# Altium PCB ADAPTONE_PCB_COPY.PcbDoc (part 2 of 11) (continued)
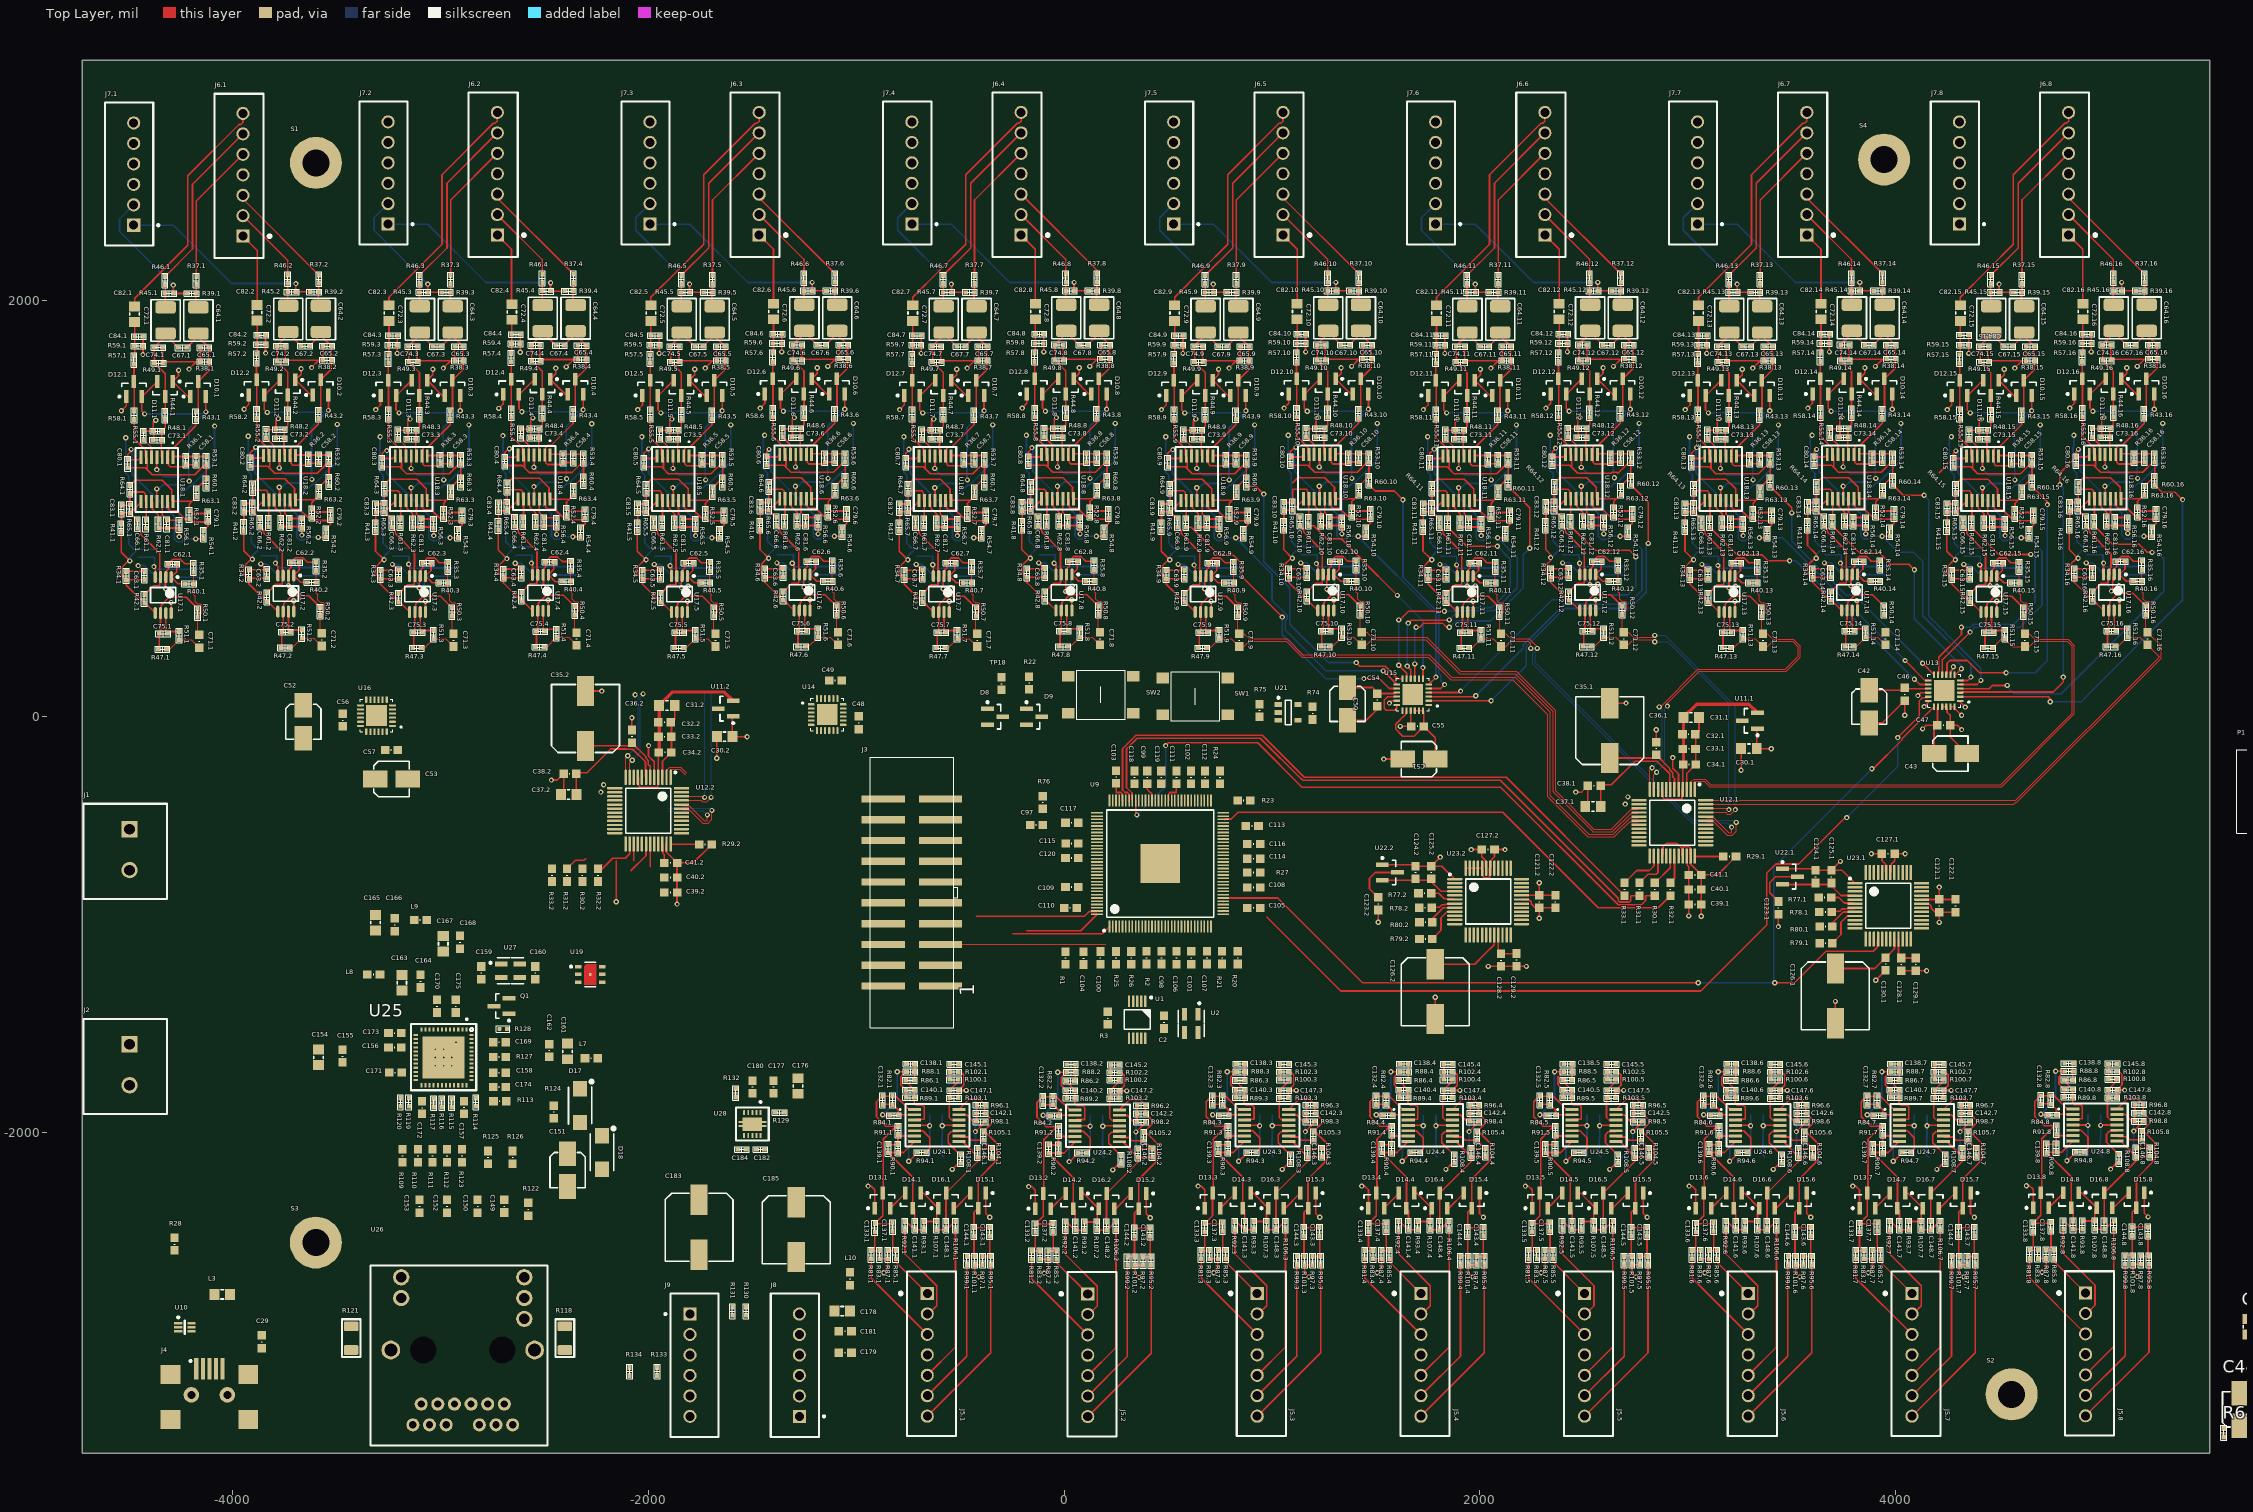
[diagram p0: Top Layer view]
## Components (designator, comment, footprint, x,y, rotation, side; value= is the part's Value field where it differs from the comment) (continued)
C137.4 "Capacitor" 0402 1549.58,-2455.18 r270 top (schematic designator C137)
C137.5 "Capacitor" 0402 2336.98,-2455.18 r270 top (schematic designator C137)
C137.6 "Capacitor" 0402 3124.38,-2455.18 r270 top (schematic designator C137)
C137.7 "Capacitor" 0402 3911.78,-2455.18 r270 top (schematic designator C137)
C137.8 "Capacitor" 0402 4747,-2453.1 r270 top (schematic designator C137)
C138.1 "Capacitor" 0402 -739.08,-1670.46 r0 top (schematic designator C138)
C138.2 "Capacitor" 0402 33,-1672.54 r0 top (schematic designator C138)
C138.3 "Capacitor" 0402 848.18,-1670.46 r0 top (schematic designator C138)
C138.4 "Capacitor" 0402 1635.58,-1670.46 r0 top (schematic designator C138)
C138.5 "Capacitor" 0402 2422.98,-1670.46 r0 top (schematic designator C138)
C138.6 "Capacitor" 0402 3210.38,-1670.46 r0 top (schematic designator C138)
C138.7 "Capacitor" 0402 3997.78,-1670.46 r0 top (schematic designator C138)
C138.8 "Capacitor" 0402 4833,-1668.38 r0 top (schematic designator C138)
C139.1 "Capacitor" 0402 -846.08,-2078.46 r270 top (schematic designator C139)
C139.2 "Capacitor" 0402 -74,-2080.54 r270 top (schematic designator C139)
C139.3 "Capacitor" 0402 741.18,-2078.46 r270 top (schematic designator C139)
C139.4 "Capacitor" 0402 1528.58,-2078.46 r270 top (schematic designator C139)
C139.5 "Capacitor" 0402 2315.98,-2078.46 r270 top (schematic designator C139)
C139.6 "Capacitor" 0402 3103.38,-2078.46 r270 top (schematic designator C139)
C139.7 "Capacitor" 0402 3890.78,-2078.46 r270 top (schematic designator C139)
C139.8 "Capacitor" 0402 4726,-2076.38 r270 top (schematic designator C139)
C140.1 "Capacitor" 0402 -741.08,-1796.46 r180 top (schematic designator C140)
C140.2 "Capacitor" 0402 31,-1798.54 r180 top (schematic designator C140)
C140.3 "Capacitor" 0402 846.18,-1796.46 r180 top (schematic designator C140)
C140.4 "Capacitor" 0402 1633.58,-1796.46 r180 top (schematic designator C140)
C140.5 "Capacitor" 0402 2420.98,-1796.46 r180 top (schematic designator C140)
C140.6 "Capacitor" 0402 3208.38,-1796.46 r180 top (schematic designator C140)
C140.7 "Capacitor" 0402 3995.78,-1796.46 r180 top (schematic designator C140)
C140.8 "Capacitor" 0402 4831,-1794.38 r180 top (schematic designator C140)
C141.1 "Capacitor" 0402 -718.08,-2448.46 r270 top (schematic designator C141)
C141.2 "Capacitor" 0402 54,-2450.54 r270 top (schematic designator C141)
C141.3 "Capacitor" 0402 869.18,-2448.46 r270 top (schematic designator C141)
C141.4 "Capacitor" 0402 1656.58,-2448.46 r270 top (schematic designator C141)
C141.5 "Capacitor" 0402 2443.98,-2448.46 r270 top (schematic designator C141)
C141.6 "Capacitor" 0402 3231.38,-2448.46 r270 top (schematic designator C141)
C141.7 "Capacitor" 0402 4018.78,-2448.46 r270 top (schematic designator C141)
C141.8 "Capacitor" 0402 4854,-2446.38 r270 top (schematic designator C141)
C142.1 "Capacitor" 0402 -401.08,-1908.46 r0 top (schematic designator C142)
C142.2 "Capacitor" 0402 371,-1910.54 r0 top (schematic designator C142)
C142.3 "Capacitor" 0402 1186.18,-1908.46 r0 top (schematic designator C142)
C142.4 "Capacitor" 0402 1973.58,-1908.46 r0 top (schematic designator C142)
C142.5 "Capacitor" 0402 2760.98,-1908.46 r0 top (schematic designator C142)
C142.6 "Capacitor" 0402 3548.38,-1908.46 r0 top (schematic designator C142)
C142.7 "Capacitor" 0402 4335.78,-1908.46 r0 top (schematic designator C142)
C142.8 "Capacitor" 0402 5171,-1906.38 r0 top (schematic designator C142)
C143.1 "Capacitor" 0402 -358.08,-2478.15 r270 top (schematic designator C143)
C143.2 "Capacitor" 0402 414,-2480.23 r270 top (schematic designator C143)
C143.3 "Capacitor" 0402 1229.18,-2478.15 r270 top (schematic designator C143)
C143.4 "Capacitor" 0402 2016.58,-2478.15 r270 top (schematic designator C143)
C143.5 "Capacitor" 0402 2803.98,-2478.15 r270 top (schematic designator C143)
C143.6 "Capacitor" 0402 3591.38,-2478.15 r270 top (schematic designator C143)
C143.7 "Capacitor" 0402 4378.78,-2478.15 r270 top (schematic designator C143)
C143.8 "Capacitor" 0402 5214,-2476.06 r270 top (schematic designator C143)
C144.1 "Capacitor" 0402 -433.78,-2478.15 r270 top (schematic designator C144)
C144.2 "Capacitor" 0402 338.3,-2480.23 r270 top (schematic designator C144)
C144.3 "Capacitor" 0402 1153.47,-2478.15 r270 top (schematic designator C144)
C144.4 "Capacitor" 0402 1940.88,-2478.15 r270 top (schematic designator C144)
C144.5 "Capacitor" 0402 2728.28,-2478.15 r270 top (schematic designator C144)
C144.6 "Capacitor" 0402 3515.68,-2478.15 r270 top (schematic designator C144)
C144.7 "Capacitor" 0402 4303.08,-2478.15 r270 top (schematic designator C144)
C144.8 "Capacitor" 0402 5138.3,-2476.06 r270 top (schematic designator C144)
C145.1 "Capacitor" 0402 -528.08,-1672.46 r180 top (schematic designator C145)
C145.2 "Capacitor" 0402 244,-1674.54 r180 top (schematic designator C145)
C145.3 "Capacitor" 0402 1059.18,-1672.46 r180 top (schematic designator C145)
C145.4 "Capacitor" 0402 1846.58,-1672.46 r180 top (schematic designator C145)
C145.5 "Capacitor" 0402 2633.98,-1672.46 r180 top (schematic designator C145)
C145.6 "Capacitor" 0402 3421.38,-1672.46 r180 top (schematic designator C145)
C145.7 "Capacitor" 0402 4208.78,-1672.46 r180 top (schematic designator C145)
C145.8 "Capacitor" 0402 5044,-1670.38 r180 top (schematic designator C145)
C146.1 "Capacitor" 0402 -416.46,-2097.8 r270 top (schematic designator C146)
C146.2 "Capacitor" 0402 355.62,-2099.88 r270 top (schematic designator C146)
C146.3 "Capacitor" 0402 1170.79,-2097.8 r270 top (schematic designator C146)
C146.4 "Capacitor" 0402 1958.19,-2097.8 r270 top (schematic designator C146)
C146.5 "Capacitor" 0402 2745.59,-2097.8 r270 top (schematic designator C146)
C146.6 "Capacitor" 0402 3533,-2097.8 r270 top (schematic designator C146)
C146.7 "Capacitor" 0402 4320.4,-2097.8 r270 top (schematic designator C146)
C146.8 "Capacitor" 0402 5155.62,-2095.72 r270 top (schematic designator C146)
C147.1 "Capacitor" 0402 -528.08,-1798.46 r0 top (schematic designator C147)
C147.2 "Capacitor" 0402 244,-1800.54 r0 top (schematic designator C147)
C147.3 "Capacitor" 0402 1059.18,-1798.46 r0 top (schematic designator C147)
C147.4 "Capacitor" 0402 1846.58,-1798.46 r0 top (schematic designator C147)
C147.5 "Capacitor" 0402 2633.98,-1798.46 r0 top (schematic designator C147)
C147.6 "Capacitor" 0402 3421.38,-1798.46 r0 top (schematic designator C147)
C147.7 "Capacitor" 0402 4208.78,-1798.46 r0 top (schematic designator C147)
C147.8 "Capacitor" 0402 5044,-1796.38 r0 top (schematic designator C147)
C148.1 "Capacitor" 0402 -568.08,-2448.46 r270 top (schematic designator C148)
C148.2 "Capacitor" 0402 204,-2450.54 r270 top (schematic designator C148)
C148.3 "Capacitor" 0402 1019.18,-2448.46 r270 top (schematic designator C148)
C148.4 "Capacitor" 0402 1806.58,-2448.46 r270 top (schematic designator C148)
C148.5 "Capacitor" 0402 2593.98,-2448.46 r270 top (schematic designator C148)
C148.6 "Capacitor" 0402 3381.38,-2448.46 r270 top (schematic designator C148)
C148.7 "Capacitor" 0402 4168.78,-2448.46 r270 top (schematic designator C148)
C148.8 "Capacitor" 0402 5004,-2446.38 r270 top (schematic designator C148)
C149 "Capacitor" 0603 -2693.16,-2354.88 r90 top
C150 "Capacitor" 0603 -2821.57,-2355.5 r90 top
C151 "Capacitor_Polarized" CAP_RAD_SMD_DIA157 -2388.59,-2181.52 r270 top
C152 "Capacitor" 0603 -2968.78,-2355.5 r90 top
C153 "Capacitor" 0603 -3101.57,-2355.5 r90 top
C154 "Capacitor" 0805 -3586.83,-1638.98 r270 top
C155 "Capacitor" 0603 -3471.04,-1632.6 r90 top
C156 "Capacitor" 0603 -3219.78,-1592.06 r0 top
C157 "Capacitor" 0603 -2887.06,-1879.93 r90 top
C158 "Capacitor" 0603 -2716.56,-1713.14 r180 top
C159 "Capacitor" 0603 -2804.46,-1232.6 r270 top
C160 "Capacitor" 0603 -2543.93,-1232.6 r270 top
C161 "Capacitor" 0805 -2388.73,-1610.4 r270 top
C162 "Capacitor" 0603 -2476.83,-1606.03 r270 top
C163 "Capacitor" 0805 -3186.32,-1280 r270 top
C164 "Capacitor" 0603 -3096.83,-1272.6 r270 top
C165 "Capacitor" 0805 -3312.22,-991.07 r270 top
C166 "Capacitor" 0603 -3220.29,-1001.07 r270 top
C167 "Capacitor" 0805 -2986.83,-1092.6 r270 top
C168 "Capacitor" 0603 -2906.83,-1085.2 r270 top
C169 "Capacitor" 0603 -2716.56,-1566.23 r180 top
C170 "Capacitor" 0603 -3016.83,-1392.6 r270 top
C171 "Capacitor" 0603 -3216.83,-1712.6 r0 top
C172 "Capacitor" 0603 -3088.42,-1880.75 r90 top
C173 "Capacitor" 0603 -3219.78,-1522.6 r0 top
C174 "Capacitor" 0603 -2716.56,-1781.39 r180 top
C175 "Capacitor" 0603 -2926.83,-1392.6 r270 top
C176 "Capacitor" 0805 -1280,-1776.69 r90 top
C177 "Capacitor" 0603 -1397.72,-1781.39 r90 top
C178 "Capacitor" 0805 -1067.35,-2860 r180 top
C179 "Capacitor" 0603 -1053.46,-3060.02 r180 top
C180 "Capacitor" 0603 -1499.52,-1781.39 r270 top
C181 "Capacitor" 0603 -1053.46,-2956.69 r0 top
C182 "Capacitor" 0402 -1460.63,-2082.09 r180 top
C183 "Capacitor_Polarized" CAP_RAD_SMD_DIA315 -1756.37,-2456.38 r270 top
C184 "Capacitor" 0402 -1550,-2082.09 r0 top
C185 "Capacitor_Polarized" CAP_RAD_SMD_DIA315 -1289.15,-2468.15 r270 top
D1 "Schottky" SOD-123F 5920,-2510 r90 top
D2 "Diode_LED" 0805_LED 641.35,-6751 r90 top
D3 "Diode_LED" 0805_LED 811.35,-6751 r90 top
D4 "Diode_zener" DIODE_DO-214AC/SMA 1018.35,-6819 r90 top
D5 "Diode" DIODE_SMA -538.65,-6801 r90 top
D6 "Schottky" SOD-123F -1302.65,-6813 r90 top
D7 "Diode" DIODE_SMA -2103.65,-6801 r90 top
D8 "Diode_dual" SOT23_132 -332.19,-0.69 r0 top
D9 "Diode_dual" SOT23_132 -144.42,-0.69 r0 top
D10.1 "Diode_dual" SOT23_132 -4166.16,1576.03 r90 top (schematic designator D10)
D10.2 "Diode_dual" SOT23_132 -3576.48,1583.51 r90 top (schematic designator D10)
D10.3 "Diode_dual" SOT23_132 -2942.57,1581.17 r90 top (schematic designator D10)
D10.4 "Diode_dual" SOT23_132 -2351.54,1586.76 r90 top (schematic designator D10)
D10.5 "Diode_dual" SOT23_132 -1682.73,1581.17 r90 top (schematic designator D10)
D10.6 "Diode_dual" SOT23_132 -1093.06,1588.65 r90 top (schematic designator D10)
D10.7 "Diode_dual" SOT23_132 -422.89,1581.17 r90 top (schematic designator D10)
D10.8 "Diode_dual" SOT23_132 166.78,1588.65 r90 top (schematic designator D10)
D10.9 "Diode_dual" SOT23_132 836.95,1581.17 r90 top (schematic designator D10)
D10.10 "Diode_dual" SOT23_132 1426.62,1588.65 r90 top (schematic designator D10)
D10.11 "Diode_dual" SOT23_132 2096.8,1581.17 r90 top (schematic designator D10)
D10.12 "Diode_dual" SOT23_132 2686.47,1588.65 r90 top (schematic designator D10)
D10.13 "Diode_dual" SOT23_132 3356.64,1581.17 r90 top (schematic designator D10)
D10.14 "Diode_dual" SOT23_132 3946.31,1588.65 r90 top (schematic designator D10)
D10.15 "Diode_dual" SOT23_132 4616.48,1581.17 r90 top (schematic designator D10)
D10.16 "Diode_dual" SOT23_132 5206.15,1588.65 r90 top (schematic designator D10)
D11.1 "Diode_dual" SOT23_132 -4324.84,1576.03 r270 top (schematic designator D11)
D11.2 "Diode_dual" SOT23_132 -3735.17,1583.51 r270 top (schematic designator D11)
D11.3 "Diode_dual" SOT23_132 -3101.26,1581.17 r270 top (schematic designator D11)
D11.4 "Diode_dual" SOT23_132 -2510.23,1586.76 r270 top (schematic designator D11)
D11.5 "Diode_dual" SOT23_132 -1841.42,1581.17 r270 top (schematic designator D11)
D11.6 "Diode_dual" SOT23_132 -1251.75,1588.65 r270 top (schematic designator D11)
D11.7 "Diode_dual" SOT23_132 -581.57,1581.17 r270 top (schematic designator D11)
D11.8 "Diode_dual" SOT23_132 8.1,1588.65 r270 top (schematic designator D11)
D11.9 "Diode_dual" SOT23_132 678.27,1581.17 r270 top (schematic designator D11)
D11.10 "Diode_dual" SOT23_132 1267.94,1588.65 r270 top (schematic designator D11)
D11.11 "Diode_dual" SOT23_132 1938.11,1581.17 r270 top (schematic designator D11)
D11.12 "Diode_dual" SOT23_132 2527.78,1588.65 r270 top (schematic designator D11)
D11.13 "Diode_dual" SOT23_132 3197.95,1581.17 r270 top (schematic designator D11)
D11.14 "Diode_dual" SOT23_132 3787.62,1588.65 r270 top (schematic designator D11)
D11.15 "Diode_dual" SOT23_132 4457.8,1581.17 r270 top (schematic designator D11)
D11.16 "Diode_dual" SOT23_132 5047.47,1588.65 r270 top (schematic designator D11)
D12.1 "Diode_dual" SOT23_132 -4474.84,1576.03 r90 top (schematic designator D12)
D12.2 "Diode_dual" SOT23_132 -3885.17,1583.51 r90 top (schematic designator D12)
D12.3 "Diode_dual" SOT23_132 -3251.26,1581.17 r90 top (schematic designator D12)
D12.4 "Diode_dual" SOT23_132 -2660.23,1586.76 r90 top (schematic designator D12)
D12.5 "Diode_dual" SOT23_132 -1991.42,1581.17 r90 top (schematic designator D12)
D12.6 "Diode_dual" SOT23_132 -1401.75,1588.65 r90 top (schematic designator D12)
D12.7 "Diode_dual" SOT23_132 -731.57,1581.17 r90 top (schematic designator D12)
D12.8 "Diode_dual" SOT23_132 -141.9,1588.65 r90 top (schematic designator D12)
D12.9 "Diode_dual" SOT23_132 528.27,1581.17 r90 top (schematic designator D12)
D12.10 "Diode_dual" SOT23_132 1117.94,1588.65 r90 top (schematic designator D12)
D12.11 "Diode_dual" SOT23_132 1788.11,1581.17 r90 top (schematic designator D12)
D12.12 "Diode_dual" SOT23_132 2377.78,1588.65 r90 top (schematic designator D12)
D12.13 "Diode_dual" SOT23_132 3047.95,1581.17 r90 top (schematic designator D12)
D12.14 "Diode_dual" SOT23_132 3637.62,1588.65 r90 top (schematic designator D12)
D12.15 "Diode_dual" SOT23_132 4307.8,1581.17 r90 top (schematic designator D12)
D12.16 "Diode_dual" SOT23_132 4897.47,1588.65 r90 top (schematic designator D12)
D13.1 "Diode_dual" SOT23_132 -873.39,-2328.46 r90 top (schematic designator D13)
D13.2 "Diode_dual" SOT23_132 -101.31,-2330.54 r90 top (schematic designator D13)
D13.3 "Diode_dual" SOT23_132 713.86,-2328.46 r90 top (schematic designator D13)
D13.4 "Diode_dual" SOT23_132 1501.26,-2328.46 r90 top (schematic designator D13)
D13.5 "Diode_dual" SOT23_132 2288.66,-2328.46 r90 top (schematic designator D13)
D13.6 "Diode_dual" SOT23_132 3076.07,-2328.46 r90 top (schematic designator D13)
D13.7 "Diode_dual" SOT23_132 3863.47,-2328.46 r90 top (schematic designator D13)
D13.8 "Diode_dual" SOT23_132 4698.69,-2326.38 r90 top (schematic designator D13)
D14.1 "Diode_dual" SOT23_132 -728.08,-2328.46 r270 top (schematic designator D14)
D14.2 "Diode_dual" SOT23_132 44,-2330.54 r270 top (schematic designator D14)
D14.3 "Diode_dual" SOT23_132 859.18,-2328.46 r270 top (schematic designator D14)
D14.4 "Diode_dual" SOT23_132 1646.58,-2328.46 r270 top (schematic designator D14)
D14.5 "Diode_dual" SOT23_132 2433.98,-2328.46 r270 top (schematic designator D14)
D14.6 "Diode_dual" SOT23_132 3221.38,-2328.46 r270 top (schematic designator D14)
D14.7 "Diode_dual" SOT23_132 4008.78,-2328.46 r270 top (schematic designator D14)
D14.8 "Diode_dual" SOT23_132 4844,-2326.38 r270 top (schematic designator D14)
D15.1 "Diode_dual" SOT23_132 -413.85,-2328.46 r270 top (schematic designator D15)
D15.2 "Diode_dual" SOT23_132 358.23,-2330.54 r270 top (schematic designator D15)
D15.3 "Diode_dual" SOT23_132 1173.4,-2328.46 r270 top (schematic designator D15)
D15.4 "Diode_dual" SOT23_132 1960.81,-2328.46 r270 top (schematic designator D15)
D15.5 "Diode_dual" SOT23_132 2748.21,-2328.46 r270 top (schematic designator D15)
D15.6 "Diode_dual" SOT23_132 3535.61,-2328.46 r270 top (schematic designator D15)
D15.7 "Diode_dual" SOT23_132 4323.01,-2328.46 r270 top (schematic designator D15)
D15.8 "Diode_dual" SOT23_132 5158.23,-2326.38 r270 top (schematic designator D15)
D16.1 "Diode_dual" SOT23_132 -568.08,-2328.46 r90 top (schematic designator D16)
D16.2 "Diode_dual" SOT23_132 204,-2330.54 r90 top (schematic designator D16)
D16.3 "Diode_dual" SOT23_132 1019.18,-2328.46 r90 top (schematic designator D16)
D16.4 "Diode_dual" SOT23_132 1806.58,-2328.46 r90 top (schematic designator D16)
D16.5 "Diode_dual" SOT23_132 2593.98,-2328.46 r90 top (schematic designator D16)
D16.6 "Diode_dual" SOT23_132 3381.38,-2328.46 r90 top (schematic designator D16)
D16.7 "Diode_dual" SOT23_132 4168.78,-2328.46 r90 top (schematic designator D16)
D16.8 "Diode_dual" SOT23_132 5004,-2326.38 r90 top (schematic designator D16)
D17 "Diode" DIODE_SMA -2328.59,-1871.52 r270 top
D18 "Diode" DIODE_SMA -2223.2,-2096.69 r270 top
D19 "Diode_LED" 0805_LED 7923.1,-1647.97 r90 top
D20 "Diode_LED" 0805_LED 8143.1,-1647.97 r90 top
D21 "Diode_LED" 0805_LED 8373.1,-1647.97 r90 top
D22 "Diode_LED" 0805_LED 8583.1,-1647.97 r90 top
D23 "Diode_LED" 0805_LED 8813.1,-1647.97 r90 top
D24 "Diode_LED" 0805_LED 9043.1,-1647.97 r90 top
FID1 "Fiducial" FIDUCIAL 8211.1,834.03 r0 top
FID2 "Fiducial" FIDUCIAL 8471.1,834.03 r90 top
FID3 "Fiducial" FIDUCIAL 7349.1,834.03 r90 top
FID4 "Fiducial" FIDUCIAL 7629.1,834.03 r90 top
FID5 "Fiducial" FIDUCIAL 6488.1,834.03 r90 top
FID6 "Fiducial" FIDUCIAL 6768.1,834.03 r90 top
J1 "CONN_TERM_BLOCK_2_POS" "TERM BLOCK" -4496,-640 r270 top
J2 "CONN_TERM_BLOCK_2_POS" "TERM BLOCK" -4496,-1675 r270 top
J3 "CON20" CONN20_100mils_pol_SMD -732.73,-845.95 r90 top
J4 "USB_MINIB_690-005-299-043" CONN_USB_MINIB_690-005-299-043 -4112,-3259 r270 top
J5.1 "B7B-XH-A(LF)(SN)" CONN_7_HEADER -658.59,-3070.03 r270 top (schematic designator J5)
J5.2 "B7B-XH-A(LF)(SN)" CONN_7_HEADER 113.49,-3072.12 r270 top (schematic designator J5)
J5.3 "B7B-XH-A(LF)(SN)" CONN_7_HEADER 928.66,-3070.03 r270 top (schematic designator J5)
J5.4 "B7B-XH-A(LF)(SN)" CONN_7_HEADER 1716.06,-3070.03 r270 top (schematic designator J5)
J5.5 "B7B-XH-A(LF)(SN)" CONN_7_HEADER 2503.46,-3070.03 r270 top (schematic designator J5)
J5.6 "B7B-XH-A(LF)(SN)" CONN_7_HEADER 3290.87,-3070.03 r270 top (schematic designator J5)
J5.7 "B7B-XH-A(LF)(SN)" CONN_7_HEADER 4078.27,-3070.03 r270 top (schematic designator J5)
J5.8 "B7B-XH-A(LF)(SN)" CONN_7_HEADER 4913.49,-3067.95 r270 top (schematic designator J5)
J6.1 "B7B-XH-A(LF)(SN)" CONN_7_HEADER -3950.41,2606.42 r90 top (schematic designator J6)
J6.2 "B7B-XH-A(LF)(SN)" CONN_7_HEADER -2726.83,2611.56 r90 top (schematic designator J6)
J6.3 "B7B-XH-A(LF)(SN)" CONN_7_HEADER -1466.98,2611.56 r90 top (schematic designator J6)
J6.4 "B7B-XH-A(LF)(SN)" CONN_7_HEADER -207.14,2611.56 r90 top (schematic designator J6)
J6.5 "B7B-XH-A(LF)(SN)" CONN_7_HEADER 1052.7,2611.56 r90 top (schematic designator J6)
J6.6 "B7B-XH-A(LF)(SN)" CONN_7_HEADER 2312.54,2611.56 r90 top (schematic designator J6)
J6.7 "B7B-XH-A(LF)(SN)" CONN_7_HEADER 3572.39,2611.56 r90 top (schematic designator J6)
J6.8 "B7B-XH-A(LF)(SN)" CONN_7_HEADER 4832.23,2611.56 r90 top (schematic designator J6)
J7.1 "CON_XH_JST_6pins" CONN_6_HEADER -4476,2609.91 r90 top (schematic designator J7)
J7.2 "CON_XH_JST_6pins" CONN_6_HEADER -3252.42,2615.05 r90 top (schematic designator J7)
J7.3 "CON_XH_JST_6pins" CONN_6_HEADER -1992.58,2615.05 r90 top (schematic designator J7)
J7.4 "CON_XH_JST_6pins" CONN_6_HEADER -732.73,2615.05 r90 top (schematic designator J7)
J7.5 "CON_XH_JST_6pins" CONN_6_HEADER 527.11,2615.05 r90 top (schematic designator J7)
J7.6 "CON_XH_JST_6pins" CONN_6_HEADER 1786.95,2615.05 r90 top (schematic designator J7)
J7.7 "CON_XH_JST_6pins" CONN_6_HEADER 3046.79,2615.05 r90 top (schematic designator J7)
J7.8 "CON_XH_JST_6pins" CONN_6_HEADER 4306.64,2615.05 r90 top (schematic designator J7)
J8 "CON_XH_JST_6pins" CONN_6_HEADER -1273.72,-3120 r90 top
J9 "CON_XH_JST_6pins" CONN_6_HEADER -1800,-3120 r270 top
L1 "Inductor" IND_252012CDMC/DS 4063.35,-6726 r0 top
L2 "Inductor" IND_252012CDMC/DS -1471.65,-6726 r0 top
L3 "Ferrite" 0805 -4050,-2778.94 r0 top
L4 "Inductor" IND_252012CDMC/DS 19832.1,3714.03 r0 top
L5 "Ferrite" 0805 19646.1,3723.03 r0 top
L6 "Inductor" SRN5040-4R7M 17955.1,3637.03 r0 top
L7 "Ferrite" 0603 -2274.55,-1643.63 r180 top
L8 "Ferrite" 0603 -3321.54,-1240 r0 top
L9 "Ferrite" 0603 -3096.83,-978.47 r0 top
L10 "Ferrite" 0603 -1029.95,-2704.21 r270 top
P1 "CON6_3020-06-0300-00" CONN6_100mils_pol_SMD 5940,-360 r0 top
Q1 "MOSFET_P_GDS" SOT23_GDS -2706.83,-1392.6 r180 top
Q2 "BJT_N_GDS" SOT23_GDS 7346.1,-1654.97 r0 top
Q3 "BJT_N_GDS" SOT23_GDS 7551.1,-1654.97 r0 top
Q4 "BJT_N_GDS" SOT23_GDS 7757.1,-1654.97 r0 top
R1 "Resistor" 0603 7,-1161.05 r90 top
R2 "Resistor" 0603 395.63,-1159.49 r90 top
R3 "Resistor" 0603 210,-1450 r90 top
R4 "Resistor_PTC" 1206_PTC 7749.35,-3128 r90 top
R5 "Resistor" 0603 5117.35,-6710 r0 top
R6 "Resistor" 0603 3887.35,-6710 r0 top
R7 "Resistor" 0603 2287.35,-6710 r0 top
R8 "Resistor" 0603 -189.65,-6710 r0 top
R9 "Resistor" 0603 -365.65,-6710 r0 top
R10 "Resistor" 0603 -1962.65,-6741 r90 top
R11 "Resistor" 0603 -3267.65,-6710 r0 top
R12 "Resistor" 0603 -3518.65,-6741 r90 top
R13 "Resistor" 0603 -3738.65,-6741 r90 top
R14 "Resistor" 0603 -4638.65,-6741 r90 top
R15 "Resistor" 0603 -4418.65,-6741 r90 top
R16 "Resistor" 0603 -4858.65,-6741 r90 top
R17 "Resistor" 0603 -5078.65,-6741 r90 top
R18 "Resistor" 0603 10882.1,831.03 r90 top
R19 "Resistor" 0603 10402.1,831.03 r90 top
R20 "Resistor" 0603 834.94,-1159.49 r90 top
R21 "Resistor" 0603 760,-1159.49 r90 top
R22 "Resistor" 0603 -168.42,161.9 r90 top
R23 "Resistor" 0603 864.77,-403.85 r180 top
R24 "Resistor" 0603 749.49,-291.96 r90 top
R25 "Resistor" 0603 248.97,-1160.51 r90 top
R26 "Resistor" 0603 323.11,-1160.51 r90 top
R27 "Resistor" 0603 911.84,-750 r180 top
R28 "Resistor" 0603 -4280,-2537.23 r90 top
R29.1 "Resistor" 0603 3201.56,-672.73 r180 top (schematic designator R29)
R29.2 "Resistor" 0603 -1725.86,-614.73 r180 top (schematic designator R29)
R30.1 "Resistor" 0603 2841.26,-830.51 r270 top (schematic designator R30)
R30.2 "Resistor" 0603 -2317.74,-762.51 r270 top (schematic designator R30)
R31.1 "Resistor" 0603 2767.22,-830.51 r270 top (schematic designator R31)
R31.2 "Resistor" 0603 -2391.78,-762.51 r270 top (schematic designator R31)
R32.1 "Resistor" 0603 2916.11,-830.51 r270 top (schematic designator R32)
R32.2 "Resistor" 0603 -2242.88,-762.51 r270 top (schematic designator R32)
R33.1 "Resistor" 0603 2695.24,-830.51 r270 top (schematic designator R33)
R33.2 "Resistor" 0603 -2463.76,-762.51 r270 top (schematic designator R33)
R34.1 "Resistor" 0402 -4512,677.6 r90 top (schematic designator R34)
R34.2 "Resistor" 0402 -3922.33,685.07 r90 top (schematic designator R34)
R34.3 "Resistor" 0402 -3288.42,682.73 r90 top (schematic designator R34)
R34.4 "Resistor" 0402 -2697.39,688.32 r90 top (schematic designator R34)
R34.5 "Resistor" 0402 -2028.58,682.73 r90 top (schematic designator R34)
R34.6 "Resistor" 0402 -1438.9,690.21 r90 top (schematic designator R34)
R34.7 "Resistor" 0402 -768.73,682.73 r90 top (schematic designator R34)
R34.8 "Resistor" 0402 -179.06,690.21 r90 top (schematic designator R34)
R34.9 "Resistor" 0402 491.11,682.73 r90 top (schematic designator R34)
R34.10 "Resistor" 0402 1080.78,690.21 r90 top (schematic designator R34)
R34.11 "Resistor" 0402 1750.95,682.73 r90 top (schematic designator R34)
R34.12 "Resistor" 0402 2340.62,690.21 r90 top (schematic designator R34)
R34.13 "Resistor" 0402 3010.79,682.73 r90 top (schematic designator R34)
R34.14 "Resistor" 0402 3600.47,690.21 r90 top (schematic designator R34)
R34.15 "Resistor" 0402 4270.64,682.73 r90 top (schematic designator R34)
R34.16 "Resistor" 0402 4860.31,690.21 r90 top (schematic designator R34)
R35.1 "Resistor" 0402 -4188.03,715.72 r270 top (schematic designator R35)
R35.2 "Resistor" 0402 -3598.35,723.2 r270 top (schematic designator R35)
R35.3 "Resistor" 0402 -2964.44,720.86 r270 top (schematic designator R35)
R35.4 "Resistor" 0402 -2373.41,726.45 r270 top (schematic designator R35)
R35.5 "Resistor" 0402 -1704.6,720.86 r270 top (schematic designator R35)
R35.6 "Resistor" 0402 -1114.93,728.33 r270 top (schematic designator R35)
R35.7 "Resistor" 0402 -444.76,720.86 r270 top (schematic designator R35)
R35.8 "Resistor" 0402 144.91,728.33 r270 top (schematic designator R35)
R35.9 "Resistor" 0402 815.08,720.86 r270 top (schematic designator R35)
R35.10 "Resistor" 0402 1404.76,728.33 r270 top (schematic designator R35)
R35.11 "Resistor" 0402 2074.93,720.86 r270 top (schematic designator R35)
R35.12 "Resistor" 0402 2664.6,728.33 r270 top (schematic designator R35)
R35.13 "Resistor" 0402 3334.77,720.86 r270 top (schematic designator R35)
R35.14 "Resistor" 0402 3924.44,728.33 r270 top (schematic designator R35)
R35.15 "Resistor" 0402 4594.61,720.86 r270 top (schematic designator R35)
R35.16 "Resistor" 0402 5184.28,728.33 r270 top (schematic designator R35)
R36.1 "Resistor" 0402 -4224.55,1231.72 r270 top (schematic designator R36)
R36.2 "Resistor" 0402 -3634.88,1239.2 r270 top (schematic designator R36)
R36.3 "Resistor" 0402 -3000.97,1236.86 r270 top (schematic designator R36)
R36.4 "Resistor" 0402 -2409.94,1242.45 r270 top (schematic designator R36)
R36.5 "Resistor" 0402 -1741.13,1236.86 r270 top (schematic designator R36)
R36.6 "Resistor" 0402 -1151.46,1244.33 r270 top (schematic designator R36)
R36.7 "Resistor" 0402 -481.29,1236.86 r270 top (schematic designator R36)
R36.8 "Resistor" 0402 108.38,1244.33 r270 top (schematic designator R36)
R36.9 "Resistor" 0402 778.56,1236.86 r270 top (schematic designator R36)
R36.10 "Resistor" 0402 1368.23,1244.33 r270 top (schematic designator R36)
R36.11 "Resistor" 0402 2038.4,1236.86 r270 top (schematic designator R36)
R36.12 "Resistor" 0402 2628.07,1244.33 r270 top (schematic designator R36)
R36.13 "Resistor" 0402 3298.24,1236.86 r270 top (schematic designator R36)
R36.14 "Resistor" 0402 3887.91,1244.33 r270 top (schematic designator R36)
R36.15 "Resistor" 0402 4558.08,1236.86 r270 top (schematic designator R36)
R36.16 "Resistor" 0402 5147.75,1244.33 r270 top (schematic designator R36)
R37.1 "Resistor" 0402 -4174.84,2097.72 r270 top (schematic designator R37)
R37.2 "Resistor" 0402 -3585.17,2105.2 r270 top (schematic designator R37)
R37.3 "Resistor" 0402 -2951.26,2102.86 r270 top (schematic designator R37)
R37.4 "Resistor" 0402 -2360.23,2108.45 r270 top (schematic designator R37)
R37.5 "Resistor" 0402 -1691.42,2102.86 r270 top (schematic designator R37)
R37.6 "Resistor" 0402 -1101.75,2110.33 r270 top (schematic designator R37)
R37.7 "Resistor" 0402 -431.57,2102.86 r270 top (schematic designator R37)
R37.8 "Resistor" 0402 158.1,2110.33 r270 top (schematic designator R37)
R37.9 "Resistor" 0402 828.27,2102.86 r270 top (schematic designator R37)
R37.10 "Resistor" 0402 1417.94,2110.33 r270 top (schematic designator R37)
R37.11 "Resistor" 0402 2088.11,2102.86 r270 top (schematic designator R37)
R37.12 "Resistor" 0402 2677.78,2110.33 r270 top (schematic designator R37)
R37.13 "Resistor" 0402 3347.95,2102.86 r270 top (schematic designator R37)
R37.14 "Resistor" 0402 3937.62,2110.33 r270 top (schematic designator R37)
R37.15 "Resistor" 0402 4607.8,2102.86 r270 top (schematic designator R37)
R37.16 "Resistor" 0402 5197.47,2110.33 r270 top (schematic designator R37)
R38.1 "Resistor" 0402 -4134.84,1707.03 r180 top (schematic designator R38)
R38.2 "Resistor" 0402 -3545.17,1714.51 r180 top (schematic designator R38)
R38.3 "Resistor" 0402 -2911.26,1712.17 r180 top (schematic designator R38)
R38.4 "Resistor" 0402 -2320.23,1717.76 r180 top (schematic designator R38)
R38.5 "Resistor" 0402 -1651.42,1712.17 r180 top (schematic designator R38)
R38.6 "Resistor" 0402 -1061.75,1719.65 r180 top (schematic designator R38)
R38.7 "Resistor" 0402 -391.57,1712.17 r180 top (schematic designator R38)
R38.8 "Resistor" 0402 198.1,1719.65 r180 top (schematic designator R38)
R38.9 "Resistor" 0402 868.27,1712.17 r180 top (schematic designator R38)
R38.10 "Resistor" 0402 1457.94,1719.65 r180 top (schematic designator R38)
R38.11 "Resistor" 0402 2128.11,1712.17 r180 top (schematic designator R38)
R38.12 "Resistor" 0402 2717.78,1719.65 r180 top (schematic designator R38)
R38.13 "Resistor" 0402 3387.95,1712.17 r180 top (schematic designator R38)
R38.14 "Resistor" 0402 3977.62,1719.65 r180 top (schematic designator R38)
R38.15 "Resistor" 0402 4647.8,1712.17 r180 top (schematic designator R38)
R38.16 "Resistor" 0402 5237.47,1719.65 r180 top (schematic designator R38)
R39.1 "Resistor" 0402 -4196.84,2035.87 r180 top (schematic designator R39)
R39.2 "Resistor" 0402 -3607.17,2043.35 r180 top (schematic designator R39)
R39.3 "Resistor" 0402 -2973.26,2041.01 r180 top (schematic designator R39)
R39.4 "Resistor" 0402 -2382.23,2046.6 r180 top (schematic designator R39)
R39.5 "Resistor" 0402 -1713.42,2041.01 r180 top (schematic designator R39)
R39.6 "Resistor" 0402 -1123.75,2048.49 r180 top (schematic designator R39)
R39.7 "Resistor" 0402 -453.57,2041.01 r180 top (schematic designator R39)
R39.8 "Resistor" 0402 136.1,2048.49 r180 top (schematic designator R39)
R39.9 "Resistor" 0402 806.27,2041.01 r180 top (schematic designator R39)
R39.10 "Resistor" 0402 1395.94,2048.49 r180 top (schematic designator R39)
R39.11 "Resistor" 0402 2066.11,2041.01 r180 top (schematic designator R39)
R39.12 "Resistor" 0402 2655.78,2048.49 r180 top (schematic designator R39)
R39.13 "Resistor" 0402 3325.95,2041.01 r180 top (schematic designator R39)
R39.14 "Resistor" 0402 3915.62,2048.49 r180 top (schematic designator R39)